# Altium PCB PCB.PcbDoc (part 1 of 4) (continued)
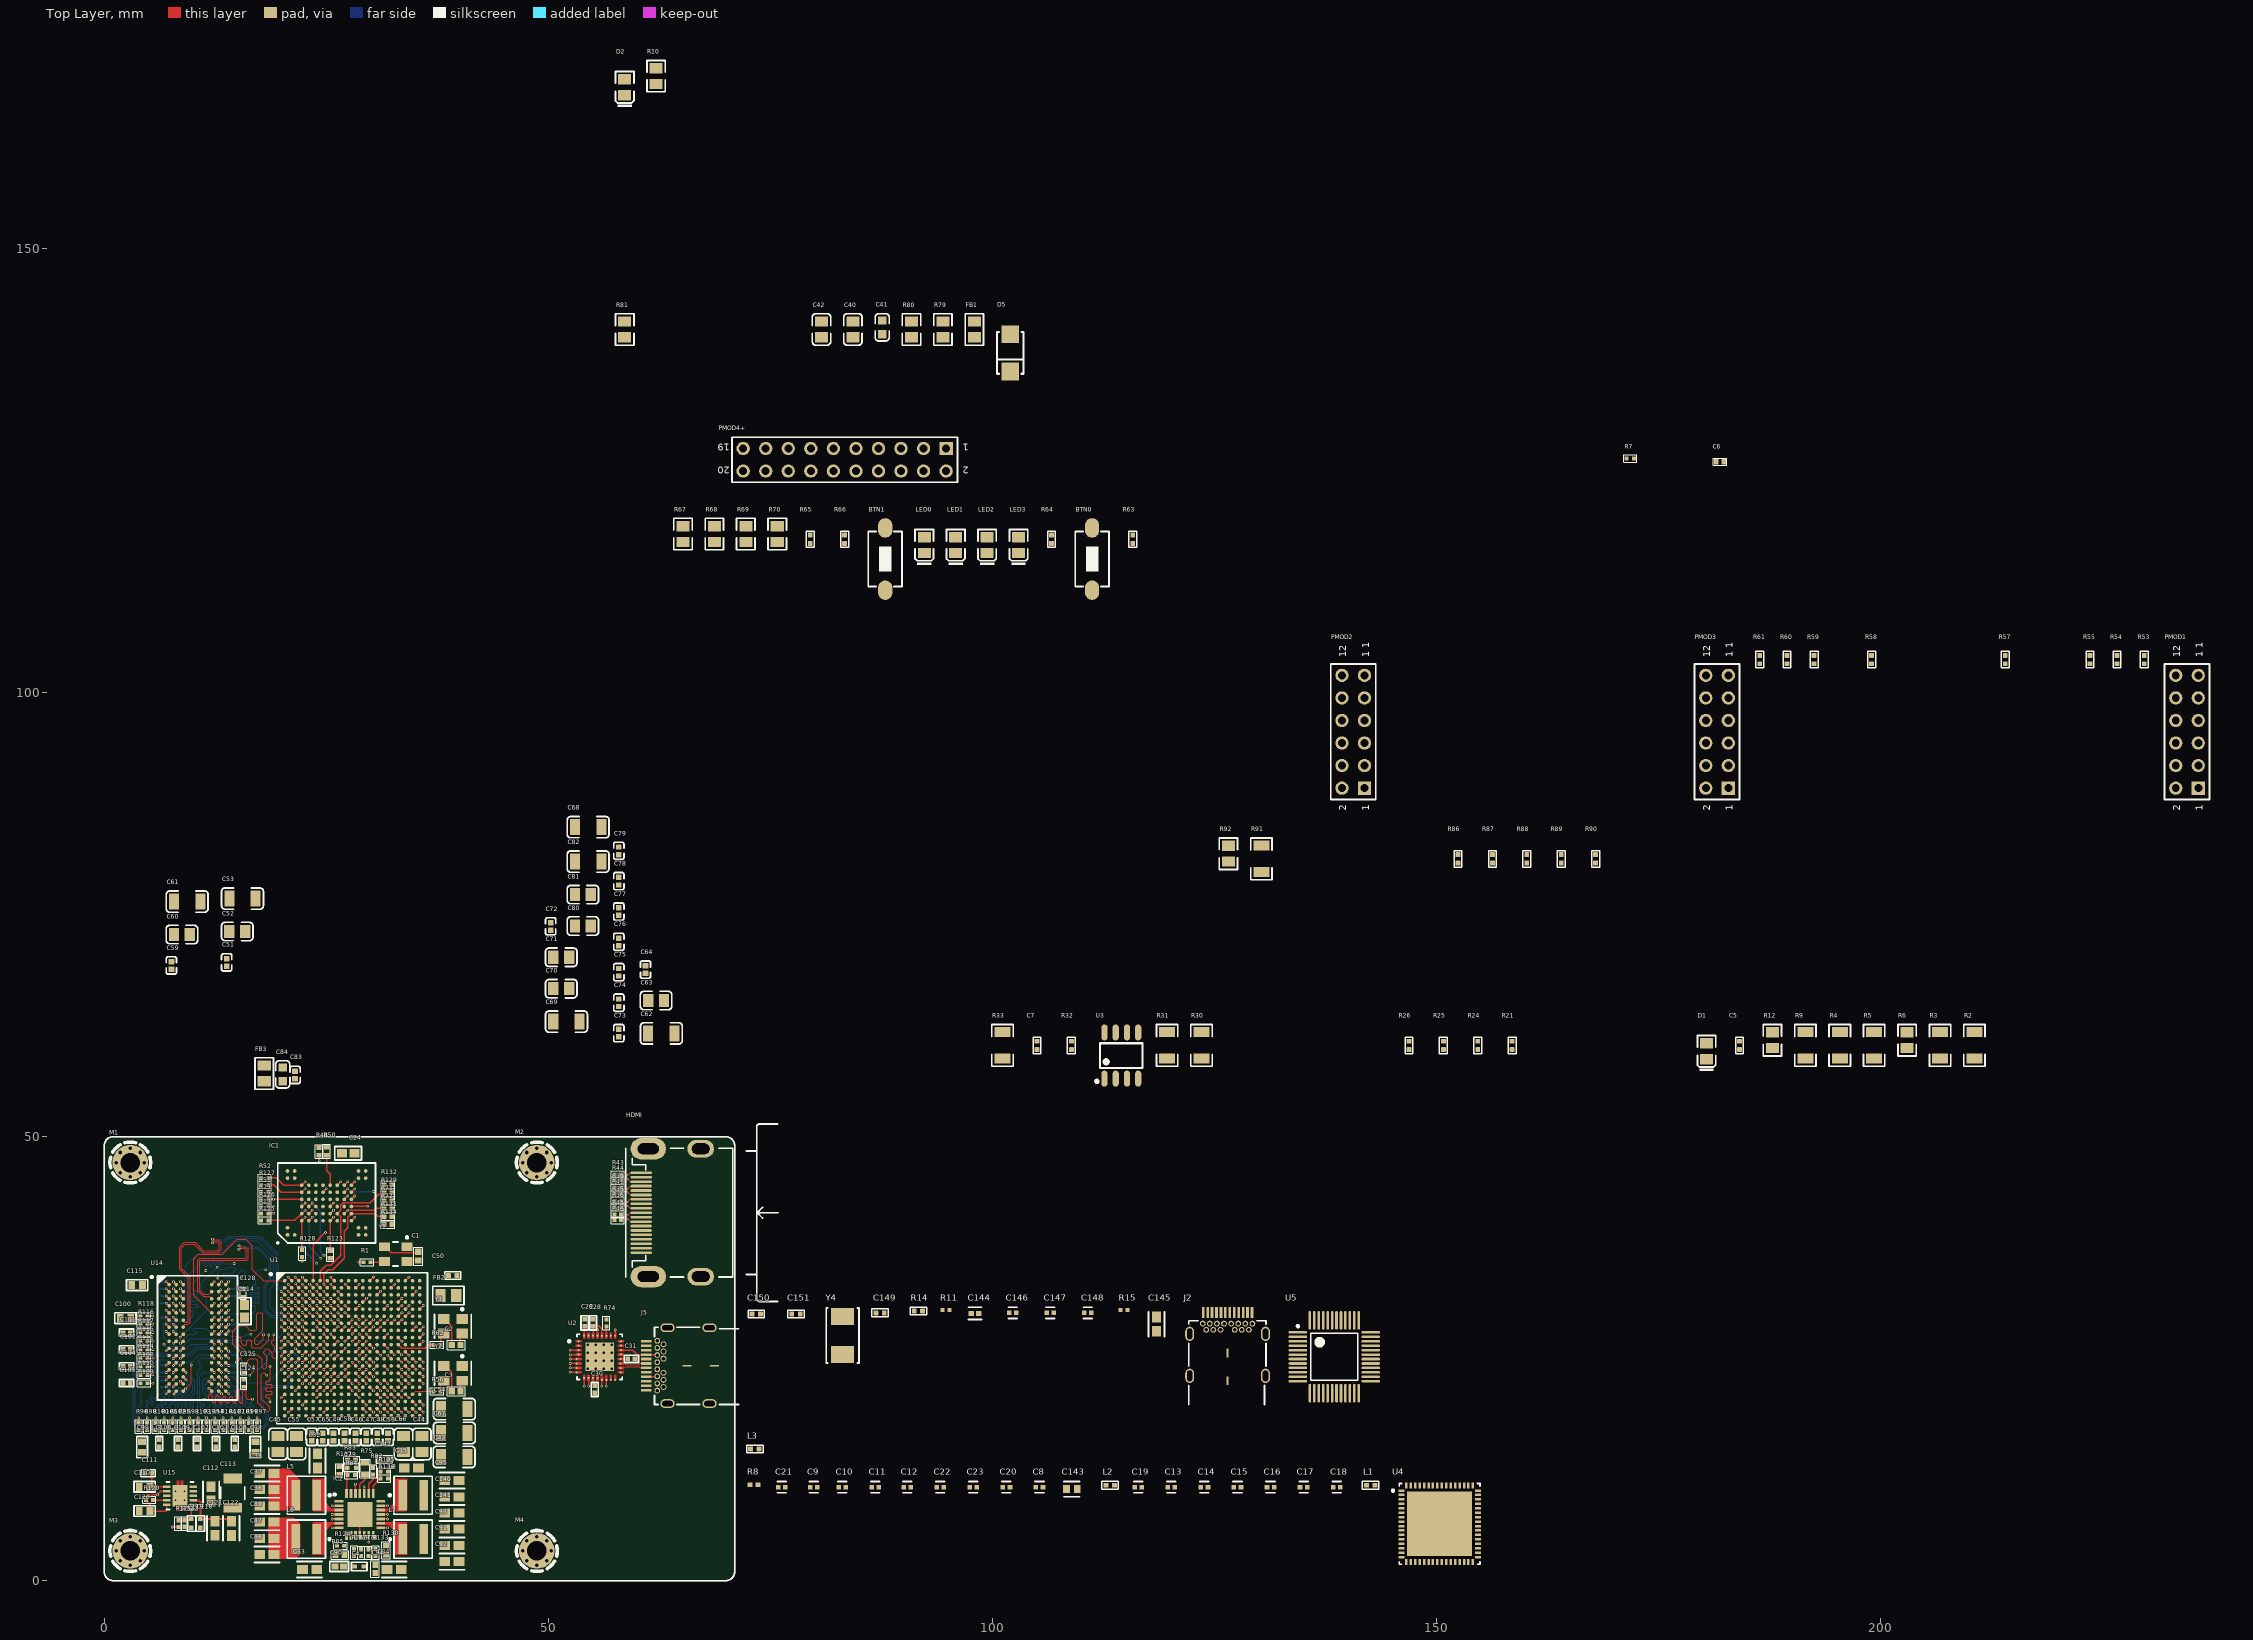
[diagram p0: Top Layer view]
## Components (designator, comment, footprint, x,y, rotation, side; value= is the part's Value field where it differs from the comment) (continued)
C142 "15pF" CAP0402i 31.54,13.64 r0 top value="15pF 50V -/+5 NP0"
C143 "C0603C475K9PACTU" FP-C0603-CG-MFG 108.97,10.31 r0 top value=4.7uF
C144 "GRM1555C1H102JA01D" FP-GRM155-0_05-IPC_B#2 98.09,30.11 r0 top value=1nF
C145 "GRM188R60J106ME47D" FP-GRM188-0_1-e0_2_0_55-IPC_A 118.51,28.89 r90 top value=10uF
C146 "C0402C104K8PACTU" FP-C0402-BB-MFG 102.31,30.16 r0 top value="0.10 μF"
C147 "C0402C104K8PACTU" FP-C0402-BB-MFG 106.54,30.16 r0 top value="0.10 μF"
C148 "C0402C104K8PACTU" FP-C0402-BB-MFG 110.76,30.16 r0 top value="0.10 μF"
C149 "0.1µF" CAP0402i 87.38,30.16 r0 top value=0.1µF,50V,X7R
C150 "15pF" CAP0402i 73.43,30.03 r0 top value="15pF 50V -/+5 NP0"
C151 "15pF" CAP0402i 77.91,30.03 r0 top value="15pF 50V -/+5 NP0"
D1 "Green" 0805_LED_S1 180.469,59.619 r90 top
D2 "Green" 0805_LED_S1 58.62,168.2 r90 top
D5 "NC" SMA(DO-214AC)_S1 102.04,138.28 r90 top
FB1 "120Ω@100MHz" 0805_L 98,140.92 r90 top
FB2 "120Ω@100MHz" 0805_L 38.76,32.12 r180 top
FB3 "120Ω@100MHz" 0805_L 18.02,57.12 r90 top
HDMI "HDMI_A" HDMI_A 60.48,41.44 r270 top
IC1 "MT29F8G08ADADAH4-IT_D" BGA63C80P10X12_900X1100X100 25.04,42.54 r90 top locked
IC2 "MAX20029ATIF_V+" QFN50P500X500X80-29N 28.79,7.45 r0 top
J1 "47309-2285" 473092285 35.96,40.335 r0 bottom
J2 "632723100011" 632723100011 126.519,24.27 r0 top
J5 "632723100011" 632723100011 66.97,24.21 r90 top
L1 "FB_120@100MHz" CAP0402i 142.629,10.74 r0 top
L2 "FB_120@100MHz" CAP0402i 113.29,10.74 r0 top
L3 "FB_120@100MHz" CAP0402i 73.28,14.82 r0 top
L5 "XGL4030-152MEC" FP-XGL4030-MFG 22.76,9.62 r180 top
L6 "XGL4030-152MEC" FP-XGL4030-MFG 22.76,4.68 r180 top
L7 "XGL4030-152MEC" FP-XGL4030-MFG 34.79,4.68 r0 top
L8 "XGL4030-152MEC" FP-XGL4030-MFG 34.79,9.62 r0 top
LED0 "Green" 0805_LED_S1 92.36,116.63 r90 top
LED1 "Green" 0805_LED_S1 95.9,116.63 r90 top
LED2 "Green" 0805_LED_S1 99.44,116.63 r90 top
LED3 "Green" 0805_LED_S1 102.98,116.63 r90 top
M1 "DNP/MH" SCMH_M2 2.93,47.09 r0 top
M2 "DNP/MH" SCMH_M2 48.72,47.09 r0 top
M3 "DNP/MH" SCMH_M2 2.93,3.35 r0 top
M4 "DNP/MH" SCMH_M2 48.72,3.35 r0 top
PMOD1 "Header 6X2" HDR2X6 235.849,89.26 r90 top
PMOD2 "Header 6X2" HDR2X6 141.94,89.26 r90 top
PMOD3 "Header 6X2" HDR2X6 182.92,89.26 r90 top
PMOD4+ "Header 10X2" HDR2X10 94.82,127.51 r180 top
R1 "ERJ2RKF33R0X" RESC1005X40X25LL05T05 29.58,35.86 r0 top value=33R
R2 "100KΩ" 1206_R 210.629,60.279 r90 top
R3 "100KΩ" 1206_R 206.759,60.279 r90 top
R4 "100KΩ" 1206_R 195.469,60.279 r90 top
R5 "4.7KΩ" 1206_R 199.339,60.279 r90 top
R6 "330Ω" 0805_R 203.049,60.869 r90 top
R7 "ERJ-2RKF1004X" RESC1005X40X25LL05T05 171.87,126.379 r0 top value=1MR
R8 "ERJ-2RKF1001X" RESC1005X40X25NL05T05 73.2,10.8 r0 top value=1kR
R9 "4.7KΩ" 1206_R 191.589,60.279 r90 top
R10 "330Ω" 0805_R 62.16,169.45 r90 top
R11 "ERJ-2RKF1004X" RESC1005X40X25LL05T05 94.79,30.47 r0 top value=1MR
R12 "330Ω" 0805_R 187.879,60.869 r90 top
R13 "ERJ-2RKF4701X" RESC1005X40X25LL05T05 18.08,41.37 r180 top value=4.7kR
R14 "10 kOhms" RES0402i 91.7,30.36 r0 top value="10k, 1%,  62.5mW, 50V"
R15 "CRCW040212K1FKED" RESC1005X40X25LL05T05 114.86,30.47 r0 top value=12.1kR
R21 "22R" RES0402i 158.57,60.279 r90 top value=22R,1%,1/8W,50V
R24 "22R" RES0402i 154.7,60.279 r90 top value=22R,1%,1/8W,50V
R25 "22R" RES0402i 150.82,60.279 r90 top value=22R,1%,1/8W,50V
R26 "22R" RES0402i 146.94,60.279 r90 top value=22R,1%,1/8W,50V
R30 "10KΩ" 1206_R 123.58,60.279 r90 top
R31 "10KΩ" 1206_R 119.7,60.279 r90 top
R32 "22R" RES0402i 108.92,60.279 r90 top value=22R,1%,1/8W,50V
R33 "100KΩ" 1206_R 101.17,60.279 r90 top
R35 "47R 5% 0201(0603)" RESC0201(0603)_N 57.84,42.77 r180 top value="47.00 Ohm"
R36 "47R 5% 0201(0603)" RESC0201(0603)_N 57.84,42.11 r180 top value="47.00 Ohm"
R39 "47R 5% 0201(0603)" RESC0201(0603)_N 57.84,44.26 r180 top value="47.00 Ohm"
R41 "47R 5% 0201(0603)" RESC0201(0603)_N 57.84,43.61 r180 top value="47.00 Ohm"
R43 "47R 5% 0201(0603)" RESC0201(0603)_N 57.84,45.76 r180 top value="47.00 Ohm"
R44 "47R 5% 0201(0603)" RESC0201(0603)_N 57.84,45.11 r180 top value="47.00 Ohm"
R45 "47R 5% 0201(0603)" RESC0201(0603)_N 57.84,41.26 r180 top value="47.00 Ohm"
R46 "47R 5% 0201(0603)" RESC0201(0603)_N 57.84,40.6 r180 top value="47.00 Ohm"
R48 "RC0402FR-0720KL" RESC1005X40X25NL05T10 24.18,48.35 r90 top value=20kR
R50 "RC0402JR-070RL" RESC1005X40X25NL05T10 25.05,48.36 r270 top value=0mR
R51 "ERJ-2RKF4701X" RESC1005X40X25LL05T05 18.08,43.77 r180 top value=4.7kR
R52 "ERJ-2RKF4701X" RESC1005X40X25LL05T05 18.08,45.37 r180 top value=4.7kR
R53 "0 Ohms" RES0402i 229.759,103.74 r90 top value=0R
R54 "0 Ohms" RES0402i 226.699,103.74 r90 top value=0R
R55 "0 Ohms" RES0402i 223.649,103.74 r90 top value=0R
R56 "ERJ2RKF33R0X" RESC1005X40X25LL05T05 37.49,21.32 r0 top value=33R
R57 "0 Ohms" RES0402i 214.099,103.74 r90 top value=0R
R58 "0 Ohms" RES0402i 199.059,103.74 r90 top value=0R
R59 "0 Ohms" RES0402i 192.58,103.74 r90 top value=0R
R60 "0 Ohms" RES0402i 189.52,103.74 r90 top value=0R
R61 "0 Ohms" RES0402i 186.46,103.74 r90 top value=0R
R62 "ERJ2RKF33R0X" RESC1005X40X25LL05T05 37.49,26.55 r0 top value=33R
R63 "10 kOhms" RES0402i 115.84,117.29 r90 top value="10k, 1%,  62.5mW, 50V"
R64 "10 kOhms" RES0402i 106.69,117.29 r90 top value="10k, 1%,  62.5mW, 50V"
R65 "10 kOhms" RES0402i 79.51,117.29 r90 top value="10k, 1%,  62.5mW, 50V"
R66 "10 kOhms" RES0402i 83.39,117.29 r90 top value="10k, 1%,  62.5mW, 50V"
R67 "330Ω" 0805_R 65.18,117.88 r90 top
R68 "330Ω" 0805_R 68.72,117.88 r90 top
R69 "330Ω" 0805_R 72.26,117.88 r90 top
R70 "330Ω" 0805_R 75.8,117.88 r90 top
R71 "RC0402FR-0720KL" RESC1005X40X25NL05T10 31.95,42.82 r0 top value=20kR
R72 "RC0402FR-0720KL" RESC1005X40X25NL05T10 31.95,41.92 r180 top value=20kR
R73 "ERJ-2RKF4701X" RESC1005X40X25LL05T05 18.08,42.97 r0 top value=4.7kR
R74 "ERJ-2RKF4701X" RESC1005X40X25LL05T05 56.55,29.007 r90 top value=4.7kR
R75 "RC0603FR-071ML" RESC1608X55X25LL10T15 29.34,12.62 r270 top value=1MR
R76 "RC0402FR-0710KL" RESC1005X40X25LL05T10 28.14,3.16 r90 top value=10kR
R77 "RC0402FR-0710KL" RESC1005X40X25LL05T10 28.94,3.15 r90 top value=10kR
R78 "RC0402FR-0710KL" RESC1005X40X25LL05T10 29.74,3.15 r90 top value=10kR
R79 "NC" 0805_R 94.46,140.92 r90 top
R80 "NC" 0805_R 90.92,140.92 r90 top
R81 "1MΩ" 0805_R 58.62,140.92 r90 top
R82 "RC0402FR-0710KL" RESC1005X40X25LL05T10 30.29,12.33 r270 top value=10kR
R83 "CRCW04021R00JNED" RESC1005X40X25NL05T05 27.83,13.61 r0 top value=1R
R84 "ERJ-2RKF7152X" RESC1005X40X25LL05T05 27.82,11.9 r180 top value=71.5kR
R85 "CRCW040234K0FKED" RESC1005X40X25ML05T05 26.55,2.89 r180 top value=34kR
R86 "100 kOhms" RES0402i 152.47,81.29 r90 top value=100k,1%,62.5mW,50V
R87 "100 kOhms" RES0402i 156.35,81.29 r90 top value=100k,1%,62.5mW,50V
R88 "100 kOhms" RES0402i 160.22,81.29 r90 top value=100k,1%,62.5mW,50V
R89 "100 kOhms" RES0402i 164.1,81.29 r90 top value=100k,1%,62.5mW,50V
R90 "100 kOhms" RES0402i 167.97,81.29 r90 top value=100k,1%,62.5mW,50V
R91 "10KΩ" 1206_R 130.32,81.29 r90 top
R92 "47Ω" 0805_R 126.61,81.88 r90 top
R93 "ERJ2RKF33R0X" RESC1005X40X25LL05T05 9.604,17.36 r90 top value=33R
R94 "ERJ2RKF33R0X" RESC1005X40X25LL05T05 12.463,17.36 r90 top value=33R
R95 "ERJ2RKF33R0X" RESC1005X40X25LL05T05 8.651,17.36 r90 top value=33R
R96 "ERJ2RKF33R0X" RESC1005X40X25LL05T05 3.886,17.36 r90 top value=33R
R97 "ERJ2RKF33R0X" RESC1005X40X25LL05T05 17.228,17.36 r90 top value=33R
R98 "ERJ2RKF33R0X" RESC1005X40X25LL05T05 4.839,17.36 r90 top value=33R
R99 "ERJ2RKF33R0X" RESC1005X40X25LL05T05 16.275,17.36 r90 top value=33R
R100 "ERJ2RKF33R0X" RESC1005X40X25LL05T05 5.792,17.36 r90 top value=33R
R101 "ERJ2RKF33R0X" RESC1005X40X25LL05T05 15.322,17.36 r90 top value=33R
R102 "ERJ2RKF33R0X" RESC1005X40X25LL05T05 7.698,17.36 r90 top value=33R
R103 "ERJ2RKF33R0X" RESC1005X40X25LL05T05 10.557,17.36 r90 top value=33R
R104 "ERJ2RKF33R0X" RESC1005X40X25LL05T05 13.416,17.36 r90 top value=33R
R105 "ERJ2RKF33R0X" RESC1005X40X25LL05T05 11.51,17.36 r90 top value=33R
R106 "ERJ2RKF33R0X" RESC1005X40X25LL05T05 6.745,17.36 r90 top value=33R
R107 "ERJ2RKF33R0X" RESC1005X40X25LL05T05 14.369,17.36 r90 top value=33R
R108 "ERJ2RKF33R0X" RESC1005X40X25LL05T05 4.475,24.137 r0 top value=33R
R109 "ERJ2RKF33R0X" RESC1005X40X25LL05T05 4.475,22.232 r0 top value=33R
R110 "ERJ2RKF33R0X" RESC1005X40X25LL05T05 4.475,23.184 r0 top value=33R
R111 "ERJ2RKF33R0X" RESC1005X40X25LL05T05 4.475,26.041 r0 top value=33R
R112 "ERJ-2RKF4701X" RESC1005X40X25LL05T05 2.781,17.395 r90 bottom value=4.7kR
R113 "CRCW0402240RFKED" RESC1005X40X25ML05T05 16.838,24.73 r0 bottom value=240R
R114 "ERJ2RKF33R0X" RESC1005X40X25LL05T05 4.475,25.089 r0 top value=33R
R115 "ERJ2RKF33R0X" RESC1005X40X25LL05T05 4.475,26.993 r0 top value=33R
R116 "ERJ2RKF33R0X" RESC1005X40X25LL05T05 4.475,28.898 r0 top value=33R
R117 "ERJ2RKF33R0X" RESC1005X40X25LL05T05 4.475,27.946 r0 top value=33R
R118 "ERJ2RKF33R0X" RESC1005X40X25LL05T05 4.475,29.85 r0 top value=33R
R119 "CRCW040282R0FKED" RESC1005X40X25NL05T05 1.96,23.87 r270 bottom value=82R
R120 "CRCW0402100KJNED" RESC1005X40X25LL05T05 5.075,9.1 r0 top value=100kR
R121 "RC0402FR-0710KL" RESC1005X40X25LL05T10 8.34,6.42 r90 top value=10kR
R122 "RC0402FR-0710KL" RESC1005X40X25LL05T10 9.06,6.44 r270 top value=10kR
R123 "RC0402JR-070RL" RESC1005X40X25NL05T10 25.46,36.71 r90 top value=0mR
R124 "ERJ-2RKF7152X" RESC1005X40X25LL05T05 26.6,3.93 r0 top value=71.5kR
R125 "ERJ-2RKF4701X" RESC1005X40X25LL05T05 18.08,40.57 r180 top value=4.7kR
R126 "ERJ-2RKF4701X" RESC1005X40X25LL05T05 18.08,42.17 r180 top value=4.7kR
R127 "ERJ-2RKF4701X" RESC1005X40X25LL05T05 18.08,44.57 r180 top value=4.7kR
R128 "ERJ-2RKF4701X" RESC1005X40X25LL05T05 22.28,36.86 r270 top value=4.7kR
R129 "RC0402FR-0720KL" RESC1005X40X25NL05T10 31.95,43.72 r0 top value=20kR
R130 "ERJ-2RKF5492X" RESC1005X40X25ML05T05 31.73,3.42 r270 top value=54.9kR
R131 "RC0402FR-0720KL" RESC1005X40X25NL05T10 31.95,41.02 r0 top value=20kR
R132 "RC0402FR-0720KL" RESC1005X40X25NL05T10 31.95,44.62 r180 top value=20kR
R133 "ERJ-2RKF7152X" RESC1005X40X25LL05T05 30.57,3.17 r90 top value=71.5kR
R134 "RC0402FR-0720KL" RESC1005X40X25NL05T10 31.95,40.12 r180 top value=20kR
R135 "ERJ-2RKF1623X" RESC1005X40X25LL05T05 31.54,12.31 r0 top value=162kR
R136 "ERJ-2RKF7152X" RESC1005X40X25LL05T05 31.54,11.5 r180 top value=71.5kR
R137 "RC0402JR-070RL" RESC1005X40X25NL05T10 26.46,12.4 r90 top value=0mR
U1 "XC7Z010-1CLG400I" CLG400 27.92,26.18 r0 top locked
U2 "USB3320C-EZK-TR" FP-32QFN-3304-5X5B-MFG 55.8,25.21 r0 top
U3 "SGM706-SYS8" SOIC-8_150MIL 114.55,59.139 r0 top
U4 "LAN9513I-JZX" FP-LAN9513I-JZX-MFG 150.399,6.4 r0 top
U5 "FT232HL-Tray" LQFP-48_M 138.539,25.21 r0 top
U14 "MT41J256M16HA-107:E" MICT-HA-96 10.498,27.35 r0 top locked
U15 "TPS51200DRCRG4" TI-DRC10-2400X1650TP_V 8.53,9.56 r180 top
Y1 "ASE3-33.3333MHZ-LC-T" FP-ASE3-MFG 32.83,36.785 r180 top
Y2 "ASE-50.000MHZ-LR-T" FP-ASE-MFG 39.27,23.345 r180 top
Y3 "ASE-50.000MHZ-LR-T" FP-ASE-MFG 39.27,28.65 r180 top
Y4 "ABM7-12.000MHZ-D2Y-T" FP-ABM7-MFG 83.16,27.6 r90 top

## Footprints (in the part's own frame and the unit in brackets; to place one, negate y for a bottom-side part, rotate by r counter-clockwise, add the part's x,y. Pads: shape width x height; smd on the part's side, far side on the other; paste and mask are expansions set on the pad)
0402_C [mm]
  rect 0.6x0.65 smd mask+0.051: 1(-0.425,0) 2(0.425,0)
  silkscreen extent -0.98,-0.58 0.98,0.58, body extent -0.48,-0.3 0.52,0.3, height 0.2
0603_C [mm]
  rect 0.93x0.98 smd: 1(-0.77,0) 2(0.77,0)
  silkscreen extent -1.53,-0.79 1.54,0.79, body extent -0.8,-0.4 0.8,0.4, height 0.3
0805_C [mm]
  rect 1.16x1.47 smd: 1(-0.89,0) 2(0.89,0)
  silkscreen extent -1.77,-1.04 1.77,1.04, body extent -1,-0.63 1,0.63, height 0.77
0805_L [mm]
  rect 1.16x1.47 smd: 1(-0.89,0) 2(0.89,0)
  silkscreen extent -1.77,-1.03 1.77,1.03, body extent -1,-0.64 1,0.64, height 0.6
0805_LED_S1 [mm]
  rect 1.16x1.47 smd: A(0.89,0) K(-0.89,0)
  silkscreen extent -2.24,-1.03 1.77,1.03, body extent -1.01,-0.62 1.01,0.62, height 1.1
0805_R [mm]
  rect 1.16x1.47 smd: 1(-0.89,0) 2(0.89,0)
  silkscreen extent -1.77,-1.03 1.77,1.03, body extent -1,-0.63 1,0.63, height 0.49
1206_C [mm]
  rect 1.13x1.8 smd: 1(-1.49,0) 2(1.49,0)
  silkscreen extent -2.36,-1.2 2.35,1.2, body extent -1.6,-0.81 1.6,0.79, height 1
1206_R [mm]
  rect 1.13x1.8 smd: 1(-1.49,0) 2(1.49,0)
  silkscreen extent -2.36,-1.2 2.35,1.2, body extent -1.7,-0.86 1.65,0.87, height 0.85
473092285 [mm]
  rect 1.2x3.79 smd: G1(-5.3,-1.055)
  rect 1.45x1.4 smd: G2(5.175,-0.3)
  rect 1x0.6 smd: G3(5.4,-1.55)
  rect 0.95x0.85 smd: G4(4.475,-2.525)
  rect 0.6x1.25 smd: P1(3.55,1.425) P2(2.45,1.425) P3(1.35,1.425) P4(0.25,1.425) P5(-0.85,1.425) P6(-1.95,1.425) P7(-3.05,1.425) P8(-4.15,1.425)
  silkscreen extent -5.7,-2.75 5.7,3.45, body extent -5.7,-2.84 5.7,2.66, height 2.85
632723100011 [mm] "USB 3.1 Type C Receptacle Horizontal THR"
  rect 0.3x1.2 smd: A1(-2.75,5.93) A2(-2.25,5.93) A3(-1.75,5.93) A4(-1.25,5.93) A5(-0.75,5.93) A6(-0.25,5.93) A7(0.25,5.93) A8(0.75,5.93) A9(1.25,5.93) A10(1.75,5.93) A11(2.25,5.93) A12(2.75,5.93)
  round 0.65 hole 0.4: B1(2.8,4.68) B2(2.4,3.98) B3(1.6,3.98) B4(1.2,4.68) B5(0.8,3.98) B6(0.4,4.68) B7(-0.4,4.68) B8(-0.8,3.98) B9(-1.2,4.68) B10(-1.6,3.98) B11(-2.4,3.98) B12(-2.8,4.68) G1(2,4.68) G2(-2,4.68)
  oval 1x1.6 hole 0.6 slot 1.2 at 90 deg: Shell(-4.27,-1.2) Shell(-4.27,3.53) Shell(4.27,-1.2) Shell(4.27,3.53)
  rect 0.2x1 smd: Shell(0,-1.75) Shell(0,1.35)
  silkscreen extent -4.37,-4.45 4.34,5, body extent -4.37,-5.6 4.37,6.19, height 3.05
BGA63C80P10X12_900X1100X100 [mm]
  round 0.41 smd: A1(-3.6,4.4) A2(-2.8,4.4) A9(2.8,4.4) A10(3.6,4.4) B1(-3.6,3.6) B9(2.8,3.6) B10(3.6,3.6) C3(-2,2.8) C4(-1.2,2.8) C5(-0.4,2.8) C6(0.4,2.8) C7(1.2,2.8) C8(2,2.8) D3(-2,2) D4(-1.2,2) D5(-0.4,2) D6(0.4,2) D7(1.2,2) D8(2,2) E3(-2,1.2) E4(-1.2,1.2) E5(-0.4,1.2) E6(0.4,1.2) E7(1.2,1.2) E8(2,1.2) F3(-2,0.4) F4(-1.2,0.4) F5(-0.4,0.4) F6(0.4,0.4) F7(1.2,0.4) F8(2,0.4) G3(-2,-0.4) G4(-1.2,-0.4) G5(-0.4,-0.4) G6(0.4,-0.4) G7(1.2,-0.4) G8(2,-0.4) H3(-2,-1.2) H4(-1.2,-1.2) H5(-0.4,-1.2) H6(0.4,-1.2) H7(1.2,-1.2) H8(2,-1.2) J3(-2,-2) J4(-1.2,-2) J5(-0.4,-2) J6(0.4,-2) J7(1.2,-2) J8(2,-2) K3(-2,-2.8) K4(-1.2,-2.8) K5(-0.4,-2.8) K6(0.4,-2.8) K7(1.2,-2.8) K8(2,-2.8) L1(-3.6,-3.6) L2(-2.8,-3.6) L9(2.8,-3.6) L10(3.6,-3.6) M1(-3.6,-4.4) M2(-2.8,-4.4) M9(2.8,-4.4) M10(3.6,-4.4)
  silkscreen extent -4.6,-5.5 4.5,5.6, body extent -4.5,-5.5 4.5,5.5, height 1
CAP0402i [mm]
  rrect25% 0.55x0.55 smd paste+0 mask+0.07: 1(-0.475,0) 2(0.475,0)
  silkscreen extent -0.92,-0.44 0.92,0.44, body extent -0.5,-0.25 0.5,0.25, height 0.5
CAPC0402(1005)60_M [mm] "Chip Capacitor, Body 1.0x0.5mm, Height 0.6mm, IPC Low Density"
  rect 0.72x0.72 smd: 1(-0.5,0) 2(0.5,0)
  silkscreen extent -1.02,-0.51 1.02,0.51, body extent -0.55,-0.3 0.55,0.3, height 0.6
CAPC1005X56X25NL10T15 [mm] "Chip Capacitor, 2-Leads, Body 1.00x0.50mm, IPC Medium Density"
  rect 0.68x0.64 smd: 1(-0.44,0) 2(0.44,0)
  silkscreen extent -0.92,-0.47 0.91,0.47, body extent -0.55,-0.3 0.55,0.3, height 0.56
CLG400 [mm]
  round 0.406 smd: A1(-7.6,7.6) A2(-6.8,7.6) A3(-6,7.6) A4(-5.2,7.6) A5(-4.4,7.6) A6(-3.6,7.6) A7(-2.8,7.6) A8(-2,7.6) A9(-1.2,7.6) A10(-0.4,7.6) A11(0.4,7.6) A12(1.2,7.6) A13(2,7.6) A14(2.8,7.6) A15(3.6,7.6) A16(4.4,7.6) A17(5.2,7.6) A18(6,7.6) A19(6.8,7.6) A20(7.6,7.6) B1(-7.6,6.8) B2(-6.8,6.8) B3(-6,6.8) B4(-5.2,6.8) B5(-4.4,6.8) B6(-3.6,6.8) B7(-2.8,6.8) B8(-2,6.8) B9(-1.2,6.8) B10(-0.4,6.8) B11(0.4,6.8) B12(1.2,6.8) B13(2,6.8) B14(2.8,6.8) B15(3.6,6.8) B16(4.4,6.8) B17(5.2,6.8) B18(6,6.8) B19(6.8,6.8) B20(7.6,6.8) C1(-7.6,6) C2(-6.8,6) C3(-6,6) C4(-5.2,6) C5(-4.4,6) C6(-3.6,6) C7(-2.8,6) C8(-2,6) C9(-1.2,6) C10(-0.4,6) C11(0.4,6) C12(1.2,6) C13(2,6) C14(2.8,6) C15(3.6,6) C16(4.4,6) C17(5.2,6) C18(6,6) C19(6.8,6) C20(7.6,6) D1(-7.6,5.2) D2(-6.8,5.2) D3(-6,5.2) D4(-5.2,5.2) D5(-4.4,5.2) D6(-3.6,5.2) D7(-2.8,5.2) D8(-2,5.2) D9(-1.2,5.2) D10(-0.4,5.2) D11(0.4,5.2) D12(1.2,5.2) D13(2,5.2) D14(2.8,5.2) D15(3.6,5.2) D16(4.4,5.2) D17(5.2,5.2) D18(6,5.2) D19(6.8,5.2) D20(7.6,5.2) E1(-7.6,4.4) E2(-6.8,4.4) E3(-6,4.4) E4(-5.2,4.4) E5(-4.4,4.4) E6(-3.6,4.4) E7(-2.8,4.4) E8(-2,4.4) E9(-1.2,4.4) E10(-0.4,4.4) E11(0.4,4.4) E12(1.2,4.4) E13(2,4.4) E14(2.8,4.4) E15(3.6,4.4) E16(4.4,4.4) E17(5.2,4.4) E18(6,4.4) E19(6.8,4.4) E20(7.6,4.4) F1(-7.6,3.6) F2(-6.8,3.6) F3(-6,3.6) F4(-5.2,3.6) F5(-4.4,3.6) F6(-3.6,3.6) F7(-2.8,3.6) F8(-2,3.6) F9(-1.2,3.6) F10(-0.4,3.6) F11(0.4,3.6) F12(1.2,3.6) F13(2,3.6) F14(2.8,3.6) F15(3.6,3.6) F16(4.4,3.6) F17(5.2,3.6) F18(6,3.6) F19(6.8,3.6) F20(7.6,3.6) G1(-7.6,2.8) G2(-6.8,2.8) G3(-6,2.8) G4(-5.2,2.8) G5(-4.4,2.8) G6(-3.6,2.8) G7(-2.8,2.8) G8(-2,2.8) G9(-1.2,2.8) G10(-0.4,2.8) G11(0.4,2.8) G12(1.2,2.8) G13(2,2.8) G14(2.8,2.8) G15(3.6,2.8) G16(4.4,2.8) G17(5.2,2.8) G18(6,2.8) G19(6.8,2.8) G20(7.6,2.8) H1(-7.6,2) H2(-6.8,2) H3(-6,2) H4(-5.2,2) H5(-4.4,2) H6(-3.6,2) H7(-2.8,2) H8(-2,2) H9(-1.2,2) H10(-0.4,2) H11(0.4,2) H12(1.2,2) H13(2,2) H14(2.8,2) H15(3.6,2) H16(4.4,2) H17(5.2,2) H18(6,2) H19(6.8,2) H20(7.6,2) J1(-7.6,1.2) J2(-6.8,1.2) J3(-6,1.2) J4(-5.2,1.2) J5(-4.4,1.2) J6(-3.6,1.2) J7(-2.8,1.2) J8(-2,1.2) J9(-1.2,1.2) J10(-0.4,1.2) J11(0.4,1.2) J12(1.2,1.2) J13(2,1.2) J14(2.8,1.2) J15(3.6,1.2) J16(4.4,1.2) J17(5.2,1.2) J18(6,1.2) J19(6.8,1.2) J20(7.6,1.2) K1(-7.6,0.4) K2(-6.8,0.4) K3(-6,0.4) K4(-5.2,0.4) K5(-4.4,0.4) K6(-3.6,0.4) K7(-2.8,0.4) K8(-2,0.4) K9(-1.2,0.4) K10(-0.4,0.4) K11(0.4,0.4) K12(1.2,0.4) K13(2,0.4) K14(2.8,0.4) K15(3.6,0.4) K16(4.4,0.4) K17(5.2,0.4) K18(6,0.4) K19(6.8,0.4) K20(7.6,0.4) L1(-7.6,-0.4) L2(-6.8,-0.4) L3(-6,-0.4) L4(-5.2,-0.4) L5(-4.4,-0.4) L6(-3.6,-0.4) L7(-2.8,-0.4) L8(-2,-0.4) L9(-1.2,-0.4) L10(-0.4,-0.4) L11(0.4,-0.4) L12(1.2,-0.4) L13(2,-0.4) L14(2.8,-0.4) L15(3.6,-0.4) L16(4.4,-0.4) L17(5.2,-0.4) L18(6,-0.4) L19(6.8,-0.4) L20(7.6,-0.4) M1(-7.6,-1.2) M2(-6.8,-1.2) M3(-6,-1.2) M4(-5.2,-1.2) M5(-4.4,-1.2) M6(-3.6,-1.2) M7(-2.8,-1.2) M8(-2,-1.2) M9(-1.2,-1.2) M10(-0.4,-1.2) M11(0.4,-1.2) M12(1.2,-1.2) M13(2,-1.2) M14(2.8,-1.2) M15(3.6,-1.2) M16(4.4,-1.2) M17(5.2,-1.2) M18(6,-1.2) M19(6.8,-1.2) M20(7.6,-1.2) N1(-7.6,-2) N2(-6.8,-2) N3(-6,-2) N4(-5.2,-2) N5(-4.4,-2) N6(-3.6,-2) N7(-2.8,-2) N8(-2,-2) N9(-1.2,-2) N10(-0.4,-2) N11(0.4,-2) N12(1.2,-2) N13(2,-2) N14(2.8,-2) N15(3.6,-2) N16(4.4,-2) N17(5.2,-2) N18(6,-2) N19(6.8,-2) N20(7.6,-2) P1(-7.6,-2.8) P2(-6.8,-2.8) P3(-6,-2.8) P4(-5.2,-2.8) P5(-4.4,-2.8) P6(-3.6,-2.8) P7(-2.8,-2.8) P8(-2,-2.8) P9(-1.2,-2.8) P10(-0.4,-2.8) P11(0.4,-2.8) P12(1.2,-2.8) P13(2,-2.8) P14(2.8,-2.8) P15(3.6,-2.8) P16(4.4,-2.8) P17(5.2,-2.8) P18(6,-2.8) P19(6.8,-2.8) P20(7.6,-2.8) R1(-7.6,-3.6) R2(-6.8,-3.6) R3(-6,-3.6) R4(-5.2,-3.6) R5(-4.4,-3.6) R6(-3.6,-3.6) R7(-2.8,-3.6) R8(-2,-3.6) R9(-1.2,-3.6) R10(-0.4,-3.6) R11(0.4,-3.6) R12(1.2,-3.6) R13(2,-3.6) R14(2.8,-3.6) R15(3.6,-3.6) R16(4.4,-3.6) R17(5.2,-3.6) R18(6,-3.6) R19(6.8,-3.6) R20(7.6,-3.6) T1(-7.6,-4.4) T2(-6.8,-4.4) T3(-6,-4.4) T4(-5.2,-4.4) T5(-4.4,-4.4) T6(-3.6,-4.4) T7(-2.8,-4.4) T8(-2,-4.4) T9(-1.2,-4.4) T10(-0.4,-4.4) T11(0.4,-4.4) T12(1.2,-4.4) T13(2,-4.4) T14(2.8,-4.4) T15(3.6,-4.4) T16(4.4,-4.4) T17(5.2,-4.4) T18(6,-4.4) T19(6.8,-4.4) T20(7.6,-4.4) U1(-7.6,-5.2) U2(-6.8,-5.2) U3(-6,-5.2) U4(-5.2,-5.2) U5(-4.4,-5.2) U6(-3.6,-5.2) U7(-2.8,-5.2) U8(-2,-5.2) U9(-1.2,-5.2) U10(-0.4,-5.2) U11(0.4,-5.2) U12(1.2,-5.2) U13(2,-5.2) U14(2.8,-5.2) U15(3.6,-5.2) U16(4.4,-5.2) U17(5.2,-5.2) U18(6,-5.2) U19(6.8,-5.2) U20(7.6,-5.2) V1(-7.6,-6) V2(-6.8,-6) V3(-6,-6) V4(-5.2,-6) V5(-4.4,-6) V6(-3.6,-6) V7(-2.8,-6) V8(-2,-6) V9(-1.2,-6) V10(-0.4,-6) V11(0.4,-6) V12(1.2,-6) V13(2,-6) V14(2.8,-6) V15(3.6,-6) V16(4.4,-6) V17(5.2,-6) V18(6,-6) V19(6.8,-6) V20(7.6,-6) W1(-7.6,-6.8) W2(-6.8,-6.8) W3(-6,-6.8) W4(-5.2,-6.8) W5(-4.4,-6.8) W6(-3.6,-6.8) W7(-2.8,-6.8) W8(-2,-6.8) W9(-1.2,-6.8) W10(-0.4,-6.8) W11(0.4,-6.8) W12(1.2,-6.8) W13(2,-6.8) W14(2.8,-6.8) W15(3.6,-6.8) W16(4.4,-6.8) W17(5.2,-6.8) W18(6,-6.8) W19(6.8,-6.8) W20(7.6,-6.8) Y1(-7.6,-7.6) Y2(-6.8,-7.6) Y3(-6,-7.6) Y4(-5.2,-7.6) Y5(-4.4,-7.6) Y6(-3.6,-7.6) Y7(-2.8,-7.6) Y8(-2,-7.6) Y9(-1.2,-7.6) Y10(-0.4,-7.6) Y11(0.4,-7.6) Y12(1.2,-7.6) Y13(2,-7.6) Y14(2.8,-7.6) Y15(3.6,-7.6) Y16(4.4,-7.6) Y17(5.2,-7.6) Y18(6,-7.6) Y19(6.8,-7.6) Y20(7.6,-7.6)
  silkscreen extent -9.27,-8.5 8.5,8.5, body extent -8.5,-8.5 8.5,8.5, height 1.6
FP-32QFN-3304-5X5B-MFG [mm]
  round 0.225 smd paste-1000 mask+0: 1(-2.37,1.75) 2(-2.37,1.25) 3(-2.37,0.75) 4(-2.37,0.25) 5(-2.59,-0.25) 6(-2.59,-0.75) 7(-2.59,-1.25) 8(-2.59,-1.75) 9(-1.75,-2.37) 10(-1.25,-2.37) 11(-0.75,-2.37) 12(-0.25,-2.37) 13(0.25,-2.59) 14(0.75,-2.59) 15(1.25,-2.59) 16(1.75,-2.59) 17(2.37,-1.75) 18(2.37,-1.25) 19(2.37,-0.75) 20(2.37,-0.25) 21(2.383,0.25) 22(2.383,0.75) 23(2.383,1.25) 24(2.383,1.75) 25(1.75,2.37) 26(1.25,2.37) 27(0.75,2.37) 28(0.25,2.37) 29(-0.25,2.383) 30(-0.75,2.383) 31(-1.25,2.383) 32(-1.75,2.383)
  rect 3.2x3.2 smd paste-1000 mask+0: 33(0,0)
  Top Layer region: -1.625,2.715 -1.625,2.15 -1.625,2.125 -1.644,2.079 -1.679,2.044 -1.725,2.025 -1.75,2.025 -1.775,2.025 -1.821,2.044 -1.856,2.079 -1.875,2.125 -1.875,2.15 -1.875,2.15 -1.875,2.715
  Top Layer region: -1.125,2.715 -1.125,2.15 -1.125,2.125 -1.144,2.079 -1.179,2.044 -1.225,2.025 -1.25,2.025 -1.275,2.025 -1.321,2.044 -1.356,2.079 -1.375,2.125 -1.375,2.15 -1.375,2.15 -1.375,2.715
  Top Layer region: -0.625,2.715 -0.625,2.15 -0.625,2.125 -0.644,2.079 -0.679,2.044 -0.725,2.025 -0.75,2.025 -0.775,2.025 -0.821,2.044 -0.856,2.079 -0.875,2.125 -0.875,2.15 -0.875,2.15 -0.875,2.715
  Top Layer region: -0.125,2.715 -0.125,2.15 -0.125,2.125 -0.144,2.079 -0.179,2.044 -0.225,2.025 -0.25,2.025 -0.275,2.025 -0.321,2.044 -0.356,2.079 -0.375,2.125 -0.375,2.15 -0.375,2.15 -0.375,2.715
  Top Layer region: 0.375,2.715 0.375,2.15 0.375,2.125 0.356,2.079 0.321,2.044 0.275,2.025 0.25,2.025 0.225,2.025 0.179,2.044 0.144,2.079 0.125,2.125 0.125,2.15 0.125,2.15 0.125,2.715
  Top Layer region: 0.875,2.715 0.875,2.15 0.875,2.125 0.856,2.079 0.821,2.044 0.775,2.025 0.75,2.025 0.725,2.025 0.679,2.044 0.644,2.079 0.625,2.125 0.625,2.15 0.625,2.15 0.625,2.715
  Top Layer region: 1.375,2.715 1.375,2.15 1.375,2.125 1.356,2.079 1.321,2.044 1.275,2.025 1.25,2.025 1.225,2.025 1.179,2.044 1.144,2.079 1.125,2.125 1.125,2.15 1.125,2.15 1.125,2.715
  Top Layer region: 1.875,2.715 1.875,2.15 1.875,2.125 1.856,2.079 1.821,2.044 1.775,2.025 1.75,2.025 1.725,2.025 1.679,2.044 1.644,2.079 1.625,2.125 1.625,2.15 1.625,2.15 1.625,2.715
  Top Layer region: 1.625,-2.715 1.625,-2.15 1.625,-2.125 1.644,-2.079 1.679,-2.044 1.725,-2.025 1.75,-2.025 1.775,-2.025 1.821,-2.044 1.856,-2.079 1.875,-2.125 1.875,-2.15 1.875,-2.15 1.875,-2.715
  Top Layer region: 1.125,-2.715 1.125,-2.15 1.125,-2.125 1.144,-2.079 1.179,-2.044 1.225,-2.025 1.25,-2.025 1.275,-2.025 1.321,-2.044 1.356,-2.079 1.375,-2.125 1.375,-2.15 1.375,-2.15 1.375,-2.715
  Top Layer region: 0.625,-2.715 0.625,-2.15 0.625,-2.125 0.644,-2.079 0.679,-2.044 0.725,-2.025 0.75,-2.025 0.775,-2.025 0.821,-2.044 0.856,-2.079 0.875,-2.125 0.875,-2.15 0.875,-2.15 0.875,-2.715
  Top Layer region: 0.125,-2.715 0.125,-2.15 0.125,-2.125 0.144,-2.079 0.179,-2.044 0.225,-2.025 0.25,-2.025 0.275,-2.025 0.321,-2.044 0.356,-2.079 0.375,-2.125 0.375,-2.15 0.375,-2.15 0.375,-2.715
  Top Layer region: -0.375,-2.715 -0.375,-2.15 -0.375,-2.125 -0.356,-2.079 -0.321,-2.044 -0.275,-2.025 -0.25,-2.025 -0.225,-2.025 -0.179,-2.044 -0.144,-2.079 -0.125,-2.125 -0.125,-2.15 -0.125,-2.15 -0.125,-2.715
  Top Layer region: -0.875,-2.715 -0.875,-2.15 -0.875,-2.125 -0.856,-2.079 -0.821,-2.044 -0.775,-2.025 -0.75,-2.025 -0.725,-2.025 -0.679,-2.044 -0.644,-2.079 -0.625,-2.125 -0.625,-2.15 -0.625,-2.15 -0.625,-2.715
  Top Layer region: -1.375,-2.715 -1.375,-2.15 -1.375,-2.125 -1.356,-2.079 -1.321,-2.044 -1.275,-2.025 -1.25,-2.025 -1.225,-2.025 -1.179,-2.044 -1.144,-2.079 -1.125,-2.125 -1.125,-2.15 -1.125,-2.15 -1.125,-2.715
  Top Layer region: -1.875,-2.715 -1.875,-2.15 -1.875,-2.125 -1.856,-2.079 -1.821,-2.044 -1.775,-2.025 -1.75,-2.025 -1.725,-2.025 -1.679,-2.044 -1.644,-2.079 -1.625,-2.125 -1.625,-2.15 -1.625,-2.15 -1.625,-2.715
  Top Layer region: 2.715,1.625 2.15,1.625 2.125,1.625 2.079,1.644 2.044,1.679 2.025,1.725 2.025,1.75 2.025,1.775 2.044,1.821 2.079,1.856 2.125,1.875 2.15,1.875 2.15,1.875 2.715,1.875
  Top Layer region: 2.715,1.125 2.15,1.125 2.125,1.125 2.079,1.144 2.044,1.179 2.025,1.225 2.025,1.25 2.025,1.275 2.044,1.321 2.079,1.356 2.125,1.375 2.15,1.375 2.15,1.375 2.715,1.375
  Top Layer region: 2.715,0.625 2.15,0.625 2.125,0.625 2.079,0.644 2.044,0.679 2.025,0.725 2.025,0.75 2.025,0.775 2.044,0.821 2.079,0.856 2.125,0.875 2.15,0.875 2.15,0.875 2.715,0.875
  Top Layer region: 2.715,0.125 2.15,0.125 2.125,0.125 2.079,0.144 2.044,0.179 2.025,0.225 2.025,0.25 2.025,0.275 2.044,0.321 2.079,0.356 2.125,0.375 2.15,0.375 2.15,0.375 2.715,0.375
  Top Layer region: 2.715,-0.375 2.15,-0.375 2.125,-0.375 2.079,-0.356 2.044,-0.321 2.025,-0.275 2.025,-0.25 2.025,-0.225 2.044,-0.179 2.079,-0.144 2.125,-0.125 2.15,-0.125 2.15,-0.125 2.715,-0.125
  Top Layer region: 2.715,-0.875 2.15,-0.875 2.125,-0.875 2.079,-0.856 2.044,-0.821 2.025,-0.775 2.025,-0.75 2.025,-0.725 2.044,-0.679 2.079,-0.644 2.125,-0.625 2.15,-0.625 2.15,-0.625 2.715,-0.625
  Top Layer region: 2.715,-1.375 2.15,-1.375 2.125,-1.375 2.079,-1.356 2.044,-1.321 2.025,-1.275 2.025,-1.25 2.025,-1.225 2.044,-1.179 2.079,-1.144 2.125,-1.125 2.15,-1.125 2.15,-1.125 2.715,-1.125
  Top Layer region: 2.715,-1.875 2.15,-1.875 2.125,-1.875 2.079,-1.856 2.044,-1.821 2.025,-1.775 2.025,-1.75 2.025,-1.725 2.044,-1.679 2.079,-1.644 2.125,-1.625 2.15,-1.625 2.15,-1.625 2.715,-1.625
  Top Layer region: -2.715,-1.625 -2.15,-1.625 -2.125,-1.625 -2.079,-1.644 -2.044,-1.679 -2.025,-1.725 -2.025,-1.75 -2.025,-1.775 -2.044,-1.821 -2.079,-1.856 -2.125,-1.875 -2.15,-1.875 -2.15,-1.875 -2.715,-1.875
  Top Layer region: -2.715,-1.125 -2.15,-1.125 -2.125,-1.125 -2.079,-1.144 -2.044,-1.179 -2.025,-1.225 -2.025,-1.25 -2.025,-1.275 -2.044,-1.321 -2.079,-1.356 -2.125,-1.375 -2.15,-1.375 -2.15,-1.375 -2.715,-1.375
  Top Layer region: -2.715,-0.625 -2.15,-0.625 -2.125,-0.625 -2.079,-0.644 -2.044,-0.679 -2.025,-0.725 -2.025,-0.75 -2.025,-0.775 -2.044,-0.821 -2.079,-0.856 -2.125,-0.875 -2.15,-0.875 -2.15,-0.875 -2.715,-0.875
  Top Layer region: -2.715,-0.125 -2.15,-0.125 -2.125,-0.125 -2.079,-0.144 -2.044,-0.179 -2.025,-0.225 -2.025,-0.25 -2.025,-0.275 -2.044,-0.321 -2.079,-0.356 -2.125,-0.375 -2.15,-0.375 -2.15,-0.375 -2.715,-0.375
  Top Layer region: -2.715,0.375 -2.15,0.375 -2.125,0.375 -2.079,0.356 -2.044,0.321 -2.025,0.275 -2.025,0.25 -2.025,0.225 -2.044,0.179 -2.079,0.144 -2.125,0.125 -2.15,0.125 -2.15,0.125 -2.715,0.125
  Top Layer region: -2.715,0.875 -2.15,0.875 -2.125,0.875 -2.079,0.856 -2.044,0.821 -2.025,0.775 -2.025,0.75 -2.025,0.725 -2.044,0.679 -2.079,0.644 -2.125,0.625 -2.15,0.625 -2.15,0.625 -2.715,0.625
  Top Layer region: -2.715,1.375 -2.15,1.375 -2.125,1.375 -2.079,1.356 -2.044,1.321 -2.025,1.275 -2.025,1.25 -2.025,1.225 -2.044,1.179 -2.079,1.144 -2.125,1.125 -2.15,1.125 -2.15,1.125 -2.715,1.125
  Top Layer region: -2.715,1.875 -2.15,1.875 -2.125,1.875 -2.079,1.856 -2.044,1.821 -2.025,1.775 -2.025,1.75 -2.025,1.725 -2.044,1.679 -2.079,1.644 -2.125,1.625 -2.15,1.625 -2.15,1.625 -2.715,1.625
  silkscreen extent -3.55,-2.55 2.55,2.55, body extent -2.82,-2.82 2.82,2.82, height 0.25
FP-0402-L_1_0_1-W_0_5_0_1-IPC_A [mm]
  rect 0.781x0.712 smd paste+0 mask+0: 1(-0.466,0) 2(0.466,0)
  silkscreen extent -1.06,-0.56 1.06,0.56, body extent -1.06,-0.56 1.06,0.56, height 0.25
FP-ABM7-MFG [mm]
  rect 1.9x2.6 smd paste+0 mask+0: 1(-2.15,0) 2(2.15,0)
  silkscreen extent -3.1,-1.85 3.1,1.85, body extent -3.2,-1.95 3.2,1.95, height 0.25
FP-ASE3-MFG [mm]
  rect 1.2x1 smd paste+0 mask+0: 1(-1.27,-0.825) 2(1.27,-0.825) 3(1.27,0.825) 4(-1.27,0.825)
  silkscreen extent -1.4,-2 0.3,1.35, body extent -1.97,-1.45 1.97,1.45, height 0.25
FP-ASE-MFG [mm]
  rect 1.3x1.1 smd paste+0 mask+0: 1(-1.05,-0.825) 2(1.05,-0.825) 3(1.05,0.825) 4(-1.05,0.825)
  silkscreen extent -2.07,-2.05 2.07,1.35, body extent -1.8,-1.48 1.8,1.47, height 0.25
FP-C0402-BB-MFG [mm]
  rect 0.52x0.52 smd paste+0 mask+0: 1(-0.4,0) 2(0.4,0)
  silkscreen extent -0.5,-0.64 0.5,0.64, body extent -0.8,-0.4 0.8,0.4, height 0.25
FP-C0603-CG-MFG [mm]
  rect 0.75x0.9 smd paste+0 mask+0: 1(-0.6,0) 2(0.6,0)
  silkscreen extent -1.2,-0.6 1.2,0.6, body extent -0.8,-0.4 0.8,0.4, height 0.9
FP-CC0402-MFG [mm]
  rect 0.5x0.5 smd paste+0 mask+0: 1(-0.5,0) 2(0.5,0)
  silkscreen extent -0.87,-0.48 0.87,0.48, body extent -0.87,-0.48 0.87,0.48, height 0.25
FP-GRM15-0_1-MFG [mm]
  rect 0.4x0.5 smd paste+0 mask+0: 1(-0.4,0) 2(0.4,0)
  silkscreen extent -0.7,-0.38 0.7,0.38, body extent -0.5,-0.25 0.5,0.25, height 0.55
FP-GRM32-0_3-MFG [mm]
  rect 1.1x2.05 smd paste+0 mask+0: 1(-1.65,0) 2(1.65,0)
  silkscreen extent -0.72,-1.35 0.72,1.35, body extent -2.3,-1.45 2.3,1.45, height 0.25
FP-GRM155-0_05-IPC_B#1 [mil]
  rect 20x22.54 smd paste+0 mask+0: 1(-16.87,0) 2(16.87,0)
  silkscreen extent -30,-15 30,15, body extent -35,-17 35,17, height 10
FP-GRM155-0_05-IPC_B#2 [mil]
  rect 24.23x22.54 smd paste+0 mask+0: 1(-16.87,0) 2(16.87,0)
  silkscreen extent -29,-27 29,27, body extent -35,-17 35,17, height 10
FP-GRM155-0_05-MFG [mm]
  rect 0.4x0.5 smd paste+0 mask+0: 1(-0.4,0) 2(0.4,0)
  silkscreen extent -0.66,-0.32 0.67,0.33, body extent -0.5,-0.25 0.5,0.25, height 0.55
FP-GRM188-0_1-E0_2_0_55-IPC_A [mm]
  rect 1.208x1.012 smd paste+0 mask+0: 1(-0.802,0) 2(0.802,0)
  silkscreen extent -1.41,-0.91 1.41,0.91, body extent -1.91,-1.01 1.91,1.01, height 0.25
FP-GRM188-0_1-e0_2_0_55-IPC_A [mm]
  rect 1.208x1.012 smd paste+0 mask+0: 1(-0.802,0) 2(0.802,0)
  silkscreen extent -1.41,-0.91 1.41,0.91, body extent -1.91,-1.01 1.91,1.01, height 0.25
FP-GRM188-0_2-IPC_B [mm]
  rect 1.105x1.006 smd paste+0 mask+0: 1(-0.701,0) 2(0.701,0)
  silkscreen extent -1.5,-0.75 1.5,0.75, body extent -1.5,-0.75 1.5,0.75, height 0.25
FP-LAN9513I-JZX-MFG [mm]
  rect 0.69x0.28 smd paste+0 mask+0: 1(-4.31,3.75) 2(-4.31,3.25) 3(-4.31,2.75) 4(-4.31,2.25) 5(-4.31,1.75) 6(-4.31,1.25) 7(-4.31,0.75) 8(-4.31,0.25) 9(-4.31,-0.25) 10(-4.31,-0.75) 11(-4.31,-1.25) 12(-4.31,-1.75) 13(-4.31,-2.25) 14(-4.31,-2.75) 15(-4.31,-3.25) 16(-4.31,-3.75) 33(4.31,-3.75) 34(4.31,-3.25) 35(4.31,-2.75) 36(4.31,-2.25) 37(4.31,-1.75) 38(4.31,-1.25) 39(4.31,-0.75) 40(4.31,-0.25) 41(4.31,0.25) 42(4.31,0.75) 43(4.31,1.25) 44(4.31,1.75) 45(4.31,2.25) 46(4.31,2.75) 47(4.31,3.25) 48(4.31,3.75)
  rect 0.28x0.69 smd paste+0 mask+0: 17(-3.75,-4.31) 18(-3.25,-4.31) 19(-2.75,-4.31) 20(-2.25,-4.31) 21(-1.75,-4.31) 22(-1.25,-4.31) 23(-0.75,-4.31) 24(-0.25,-4.31) 25(0.25,-4.31) 26(0.75,-4.31) 27(1.25,-4.31) 28(1.75,-4.31) 29(2.25,-4.31) 30(2.75,-4.31) 31(3.25,-4.31) 32(3.75,-4.31) 49(3.75,4.31) 50(3.25,4.31) 51(2.75,4.31) 52(2.25,4.31) 53(1.75,4.31) 54(1.25,4.31) 55(0.75,4.31) 56(0.25,4.31) 57(-0.25,4.31) 58(-0.75,4.31) 59(-1.25,4.31) 60(-1.75,4.31) 61(-2.25,4.31) 62(-2.75,4.31) 63(-3.25,4.31) 64(-3.75,4.31)
  rect 7.3x7.3 smd paste+0 mask+0: 65(0,0)
  silkscreen extent -5.37,-4.55 4.55,4.55, body extent -4.75,-4.75 4.75,4.75, height 0.25
FP-XGL4030-MFG [mm]
  rect 0.98x3.4 smd paste+0 mask+0: 1(-1.185,0) 2(1.185,0)
  silkscreen extent -2.75,-2.15 2.15,2.15, body extent -2.25,-2.25 2.25,2.25, height 0.25